# KiCad board PC110.kicad_pcb (continued)
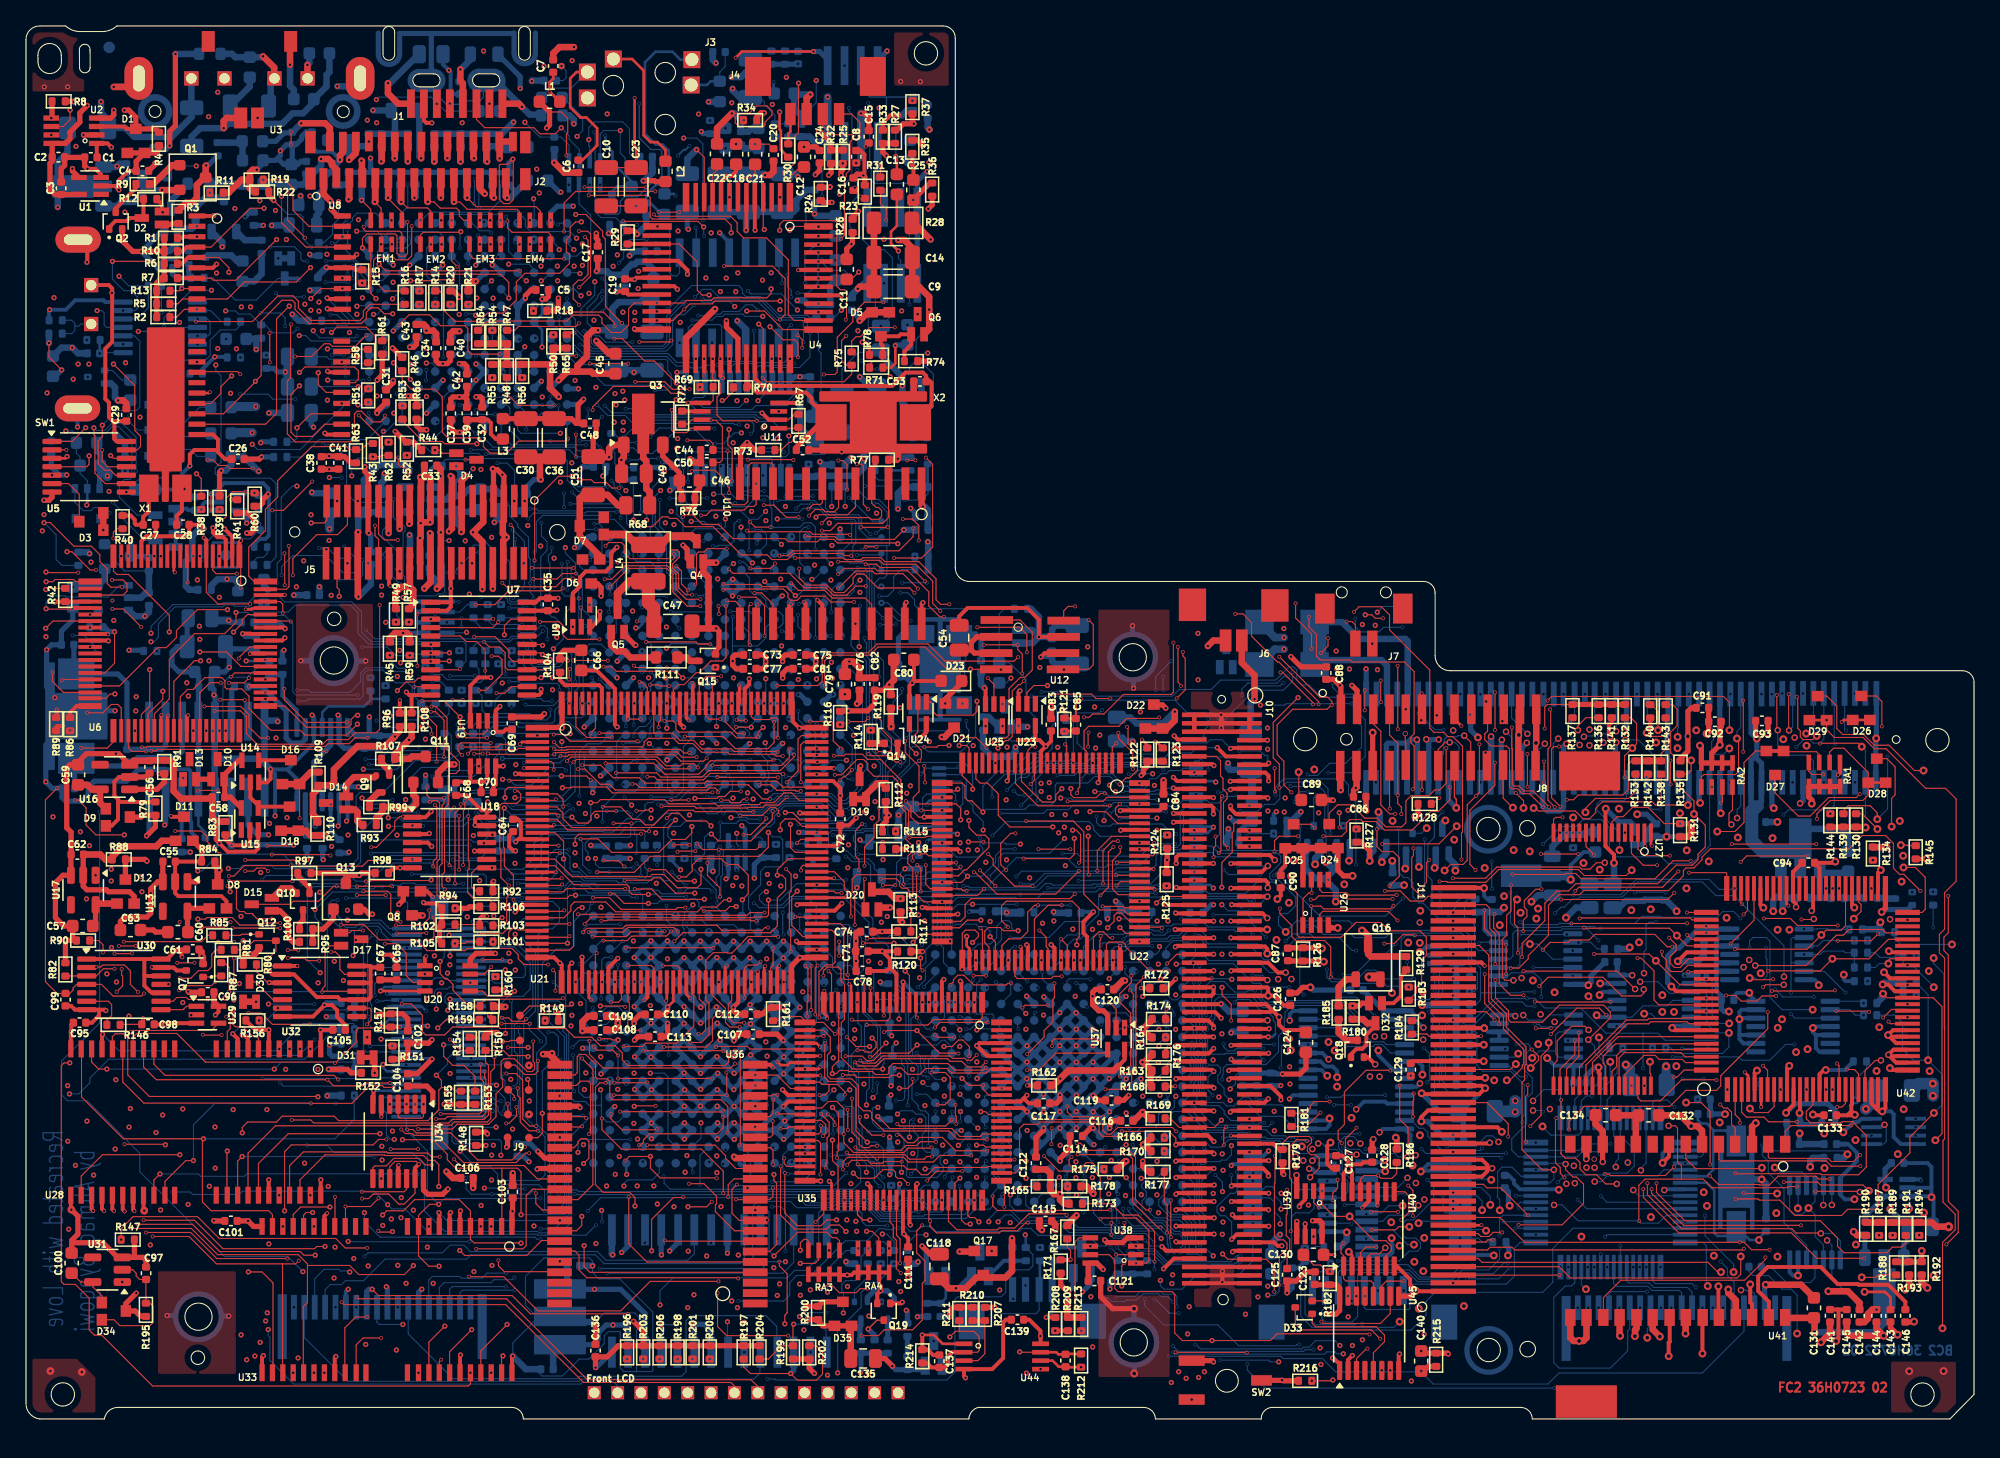
[diagram p0: board, top side]
## Routing (per net, layer and track width the routed paths; a pad name or vN(x,y) marks a point on that pad's centre or on a via; arc(x,y) is an arc through that point) (continued)
  IC4 w0.08: v2(130.46,22.85) 131.13,22.85 132.05,23.77 132.05,28.77 134.08,30.8 v2(135.26,30.8)
  BC1 w0.08: v1(77.03,19.89) 76.34,19.2 76.34,18.89 75.21,17.76 v7(75.21,17.32) ; v7(58.92,48.73) 58.92,46.85 60,45.77 60,43.52 58.85,42.37 56.83,42.37 56.67,42.21 56.67,41.85 v1(57.25,41.27)
  BC2 w0.08: v7(75.21,17.32) 75.11,17.23 U74.A5 ; 58.91,48.91 58.92,48.9 v7(58.92,48.73)
SD9: length 213
  FC2 w0.08: v3(113.47,30.42) 113.47,30.9 112.36,32.01 v3(112.36,34.27) ; v3(114.01,34.3) v3(114.01,36.55) ; U42.8 134.65,24.07 134.19,23.61 133.1,23.61 v2(132.79,23.92) ; v3(118.24,24.58) 118.24,20.49 118.23,20.48 118.23,20.44 118.57,20.1 119.36,20.1 119.7,19.76 119.7,19.27 120.15,18.82 120.97,18.82 121.68,18.11 v4(122.53,18.11) ; v3(117.45,30.12) 117.43,30.1 v3(116.3,30.1) ; v3(53.7,23.28) 53.7,22.44 53.23,21.98 48.02,21.98 47.59,21.54 47.59,21.53 47.56,21.5 47.56,21.32 47.34,21.1 v3(47.23,21.1)
  FC1 w0.08: v3(109.93,38.38) 109.56,38.38 109.21,38.03 109.21,36.84 109.53,36.52 113.98,36.52 v3(114.01,36.55) ; v3(112.36,34.27) 112.39,34.3 v3(114.01,34.3) ; v3(118.24,24.58) 118,24.82 118,29.57 v3(117.45,30.12) ; v3(53.7,23.28) 55.35,23.28 v3(56.17,24.1) ; v3(116.3,30.1) 115.98,30.42 v3(113.47,30.42) ; v3(47.23,21.1) 47.23,20.69 47.08,20.54 v1(47.08,17.96)
  IC1 w0.08: v1(82.14,18.6) 82.89,18.6 83.3,18.19 83.58,18.19 84.5,19.11 89.18,19.11 89.77,18.52 93.02,18.52 94.83,16.71 96.9,16.71 97.65,15.96 98.93,15.96 99.35,16.38 105.2,16.38 105.78,15.8 110.74,15.8 111.16,15.38 118.09,15.38 118.54,15.83 120.12,15.83 122.4,18.11 v4(122.53,18.11)
  IC2 w0.08: v2(132.79,23.92) 132.76,23.95 125.75,23.95 123.92,22.12 123.92,18.54 123.49,18.11 v4(122.53,18.11) ; v1(82.14,18.6) 81.7,19.04 74.32,19.04 73.94,19.42 72.52,19.42 ; 72.52,19.42 72.52,21.07 72.06,21.53 71.5,21.53 70.48,22.55 66.2,22.55 66.03,22.38 57.12,22.38 55.35,24.15 55.35,38.93 55.75,39.33 55.75,41.32 55.25,41.82 55.25,43.55 53.87,44.93 53.87,47.07 54.1,47.3 54.1,48.06 56.94,50.9 v1(56.94,52.11) ; 72.52,19.42 70.73,19.42 69.23,20.92 67.94,20.92 67.59,20.57 55.04,20.57 54.88,20.73 50.52,20.73 47.75,17.96 v1(47.08,17.96)
  BC1 w0.08: v1(82.14,18.6) 81.66,18.12 80.74,18.12 80.44,18.42 80.44,18.9 80.07,19.27 78.62,19.27 78.39,19.04 78.39,16.37 v7(78.27,16.25)
  BC2 w0.08: v7(78.27,16.25) 77.25,16.25 77.01,16.49 77.01,17.4 76.38,18.03 ; v1(56.94,52.11) 57.01,52.04 57.01,51.27 57.46,50.82 57.98,50.82 58.62,50.18 58.91,50.18
SD10: length 263.7
  FC2 w0.08: v1(50.99,16.35) 52.43,16.35 v3(52.82,16.74) ; v3(133.8,27.22) 134.15,26.87 U42.7 ; v4(123.94,33.13) 122.56,34.51 v3(115.35,34.51) ; 109.93,39.63 112.48,39.63 112.75,39.36 112.75,37.79 113.18,37.36 v3(113.18,35.05) ; v4(135.39,33.46) 133.99,33.46 v3(133.8,33.27)
  FC1 w0.08: v3(113.18,35.05) 114.81,35.05 v3(115.35,34.51) ; v3(133.8,33.27) v3(133.8,27.22) ; v3(52.82,16.74) 52.69,16.87 52.69,25.48 53.01,25.8 54.67,25.8 54.75,25.72 56.15,25.72 v3(56.17,25.7)
  IC1 w0.08: v1(51.01,12.93) 51.01,13.5 50.46,14.05 29.68,14.05 28.89,14.84 v1(28.89,15.51)
  IC2 w0.08: v1(51.01,12.93) 51.01,16.33 v1(50.99,16.35)
  IC3 w0.08: v4(123.94,33.13) 123.94,32.68 124.4,32.22 126.27,32.22 126.75,32.7 128.93,32.7 129.52,33.29 133.75,33.29 133.92,33.46 v4(135.39,33.46) ; v2(129.48,16.42) 129.4,16.5 124.37,16.5 123.21,15.34 107.95,15.34 107.52,15.77 105.59,15.77 104.76,16.6 101.32,16.6 96.65,11.93 90.68,11.93 89.69,12.92 87.01,12.92 85.31,14.62 80.78,14.62 80.02,15.38 79.96,15.38 79.77,15.57 76.18,15.57 75.81,15.2 v1(75.81,15.13) 75.74,15.13 74.91,14.3 70.72,14.3 70.2,13.78 68.38,13.78 67.61,13.01 60.8,13.01 60.04,13.77 51.85,13.77 v1(51.01,12.93)
  BC1 w0.08: v7(54.09,49.57) 53.87,49.79 53.87,53.46 54.29,53.88 57.06,53.88 v7(57.62,53.32) ; v7(133.42,26.12) 132.5,26.12 131.67,26.95 131.67,29.3 135.39,33.02 v4(135.39,33.46) ; v7(33.96,42.36) 34.11,42.21 34.11,41.08 33.14,40.11 33.14,38.09 33.63,37.6 33.63,31.51 33.15,31.03 31.36,31.03 31.15,31.24 31.15,31.64 30.95,31.84 30.59,31.84 30.03,31.28 30.03,17.57 30.25,17.35 30.25,15.83 29.91,15.49 28.91,15.49 v1(28.89,15.51) ; v7(51.14,49.52) 51.14,48.97 51.23,48.88 v7(51.23,48.33) ; v1(75.81,15.13) 77.27,15.13 77.49,15.35 77.49,18.73 v7(76.98,19.24) ; v7(133.41,25.48) 131.35,25.48 129.89,24.02 129.89,16.84 129.48,16.43 v2(129.48,16.42)
  BC2 w0.08: v7(76.98,19.24) 76.92,19.3 76.38,19.3 ; 57.64,52.72 57.64,53.3 v7(57.62,53.32) ; v7(133.42,26.12) 133.42,25.49 v7(133.41,25.48) ; v7(33.96,42.36) 38.29,42.36 39.15,43.22 39.15,44.39 40.03,45.27 44.48,45.27 44.52,45.23 45.24,45.23 46.27,46.26 46.98,46.26 47.68,46.96 47.68,47.3 47.88,47.5 48.26,47.5 48.42,47.66 50.27,47.66 50.94,48.33 v7(51.23,48.33) ; v7(54.09,49.57) 54.04,49.52 v7(51.14,49.52)
SD11: length 165.4
  FC2 w0.08: v3(60.17,31.03) 60.17,32.13 60.23,32.19 60.23,34.72 v3(60.03,34.92) ; v3(57.54,27.09) 57.53,27.09 ; v2(132.08,12.52) 132.08,11.15 131.8,10.87 118.95,10.87 118.09,11.73 109.93,11.73
  FC2 w0.2: v3(133.65,24.03) U42.6
  FC2 w0.3: U36.24 57.32,27.3 57.53,27.09
  FC1 w0.08: v1(57.05,35.46) 57.09,35.46 57.64,36.01 58.41,36.01 59.5,34.92 v3(60.03,34.92) ; v3(57.54,27.09) 58.57,27.09 59.38,27.9 59.38,30.24 v3(60.17,31.03) ; v2(132.08,12.52) 132.65,12.52 132.97,12.84 132.97,12.9 132.96,12.91 132.96,21.21 133.85,22.1 133.85,23.83 v3(133.65,24.03)
  IC1 w0.08: v1(63.54,21.49) 63.54,21.42 64.63,20.33 66.61,20.33 67.34,21.06 68.97,21.06 71.13,18.9 71.13,18.49 71.59,18.03 76.51,18.03 v1(77.03,18.55) 77.59,17.99 82.54,17.99 82.74,17.79 88.69,17.79 89.96,16.52 89.96,15.7 90.93,14.73 94.17,14.73 95.1,13.8 102.15,13.8 102.81,14.46 105.91,14.46 106.42,13.95 107.06,13.95 107.82,13.19 130.32,13.19 130.99,12.52 v2(132.08,12.52)
  IC4 w0.08: v1(63.54,21.49) 61.82,23.21 60.97,23.21 57.88,26.3 57.88,28.95 57.76,29.07 57.76,34.75 v1(57.05,35.46)
  BC1 w0.08: v7(59.59,37.62) 58.17,37.62 57.79,37.24 57.79,36.2 v1(57.05,35.46) ; v7(59.59,38.83) 60.04,39.28 60.04,41.43 60.41,41.8 60.41,47.54 59.83,48.12 59.83,49.11 59.31,49.63 59.31,51.28 v7(59.13,51.46) ; v7(76.47,17.31) 76.48,17.31 77.03,17.86 v1(77.03,18.55)
  BC2 w0.08: U74.A6 76.39,17.23 v7(76.47,17.31) ; v7(59.59,38.83) v7(59.59,37.62)
SD12: length 234.2
  FC2 w0.08: v3(43.36,21.95) 43.49,22.08 43.49,25.85 43.31,26.03 42.72,26.03 42.39,25.7 U36.27 ; v2(134.88,17.37) 132.34,17.37 v3(132.31,17.4) ; 109.93,12.98 109.98,13.03 112.59,13.03 112.59,13.04 112.78,13.23 114.47,13.23 114.67,13.03 132.23,13.03 v3(132.32,13.12)
  FC2 w0.2: v3(132.39,26.71) 132.65,26.45 U42.4
  FC1 w0.08: v1(44.72,17.95) 44.72,21.11 43.88,21.95 v3(43.36,21.95) ; v3(132.32,13.12) 132.32,17.39 v3(132.31,17.4) 132.31,25.97 132.39,26.05 v3(132.39,26.71)
  IC2 w0.08: v1(63.54,18.13) 62.84,17.43 45.24,17.43 v1(44.72,17.95)
  IC3 w0.08: v2(134.88,17.37) 134.66,17.37 134.2,16.91 123.9,16.91 122.56,15.57 116.07,15.57 114.08,17.56 97.23,17.56 96.92,17.87 96.2,17.87 95.95,18.12 95.01,18.12 93.18,19.95 90.78,19.95 89.03,18.2 81.26,18.2 v1(80.87,18.59)
  IC4 w0.08: v1(57.09,27.96) 57.03,27.9 57.03,19.99 56.79,19.75 56.79,18.67 57.54,17.92 62.6,17.92 62.81,18.13 v1(63.54,18.13) 63.43,18.13 61.2,15.9 61.2,9.35 64.56,5.99 69.8,5.99 71.88,8.07 75.67,8.07 75.99,8.39 82.61,8.39 83.62,9.4 85.06,9.4 86.46,10.8 86.46,12.44 84.37,14.53 80.87,14.53 78.69,16.71 78.69,18.53 79.42,19.26 80.2,19.26 v1(80.87,18.59)
  BC1 w0.08: v1(80.87,18.59) 80.87,19.17 80.57,19.47 78.54,19.47 78.08,19.01 v7(78.08,18.68) ; v7(60.21,48.67) 60.21,48.07 60.61,47.67 60.61,41.55 60.49,41.43 60.49,40.23 60.55,40.17 60.55,36.43 60.07,35.95 59.34,35.95 57.89,34.5 v7(57.07,34.5) ; v7(57.05,33.16) 57.9,32.31 59.63,32.31 60.57,31.37 60.57,27.56 60.46,27.45 57.6,27.45 v1(57.09,27.96)
  BC2 w0.08: v7(60.21,48.67) 60.21,48.88 60.18,48.91 ; v7(78.08,18.68) 78.08,18.46 77.65,18.03 ; v7(57.05,33.16) 57.07,33.18 v7(57.07,34.5)
SD13: length 199.3
  FC2 w0.08: 127.51,18.48 127.51,19.52 127.21,19.82 127.21,22.43 127.05,22.59 v4(126.52,22.59) ; 127.51,18.48 124.71,18.48 124.23,18 124.23,15.28 v3(124.26,15.25) ; 127.51,18.48 129.19,18.48 129.85,17.82 135.65,17.82 135.74,17.91 v3(136.4,17.91) ; 109.93,14.28 111.85,14.28 112.07,14.06 112.69,14.06 113.01,14.38 v3(113.7,14.38) ; v3(136.4,22.9) 134.23,22.9 133.87,23.26 132.52,23.26 132.15,23.63 U42.3
  FC2 w0.4: v1(42.67,24) 42.57,24.1 U36.29
  FC1 w0.08: v3(124.26,15.25) 124.22,15.29 117.83,15.29 116.92,14.38 v3(113.7,14.38) ; v3(136.4,17.91) 136.4,18.93 136.14,19.19 136.14,22.23 136.4,22.49 v3(136.4,22.9)
  IC1 w0.08: v4(117.38,23.88) 118.67,22.59 v4(126.52,22.59) ; v1(65.24,24.77) 65.05,24.77 65.02,24.74 43.41,24.74 v1(42.67,24)
  IC3 w0.08: v4(117.38,23.88) 117.38,24.49 116.85,25.02 113.99,25.02 113.5,24.53 108.31,24.53 106.71,22.93 103.45,22.93 103.04,22.52 97.41,22.52 96.64,23.29 94.93,23.29 93.19,25.03 92.59,25.03 91.53,26.09 90.73,26.09 89.14,24.5 70.23,24.5 70.2,24.52 70,24.52 69.44,25.08 67.55,25.08 67.06,24.59 66.14,24.59 65.96,24.77 v1(65.24,24.77)
  BC1 w0.08: v7(65.57,25.87) 64.79,26.65 64.79,27.88 64.56,28.11 64.56,29.82 65.61,30.87 65.61,32.06 65.03,32.64 63.36,32.64 62.53,33.47 62.53,36.74 63.53,37.74 63.53,40.11 63.16,40.48 v7(63.16,41.56) ; v7(71.91,17.96) 69.65,17.96 67.85,16.16 66.83,16.16 v7(66,16.99) ; v7(71.91,16.12) 71.91,15.03 72.42,14.52 76.4,14.52 76.57,14.69 77.26,14.69 77.74,15.17 v7(77.74,19.11) ; v7(64.46,20.48) 64.19,20.75 64.19,24.32 64.64,24.77 v1(65.24,24.77) ; v7(61.48,41.71) 61.49,41.72 61.49,45.64 61.33,45.8 61.33,47.53 60.83,48.03 60.83,49.4 v7(60.23,50)
  BC2 w0.08: v1(65.24,24.77) 65.57,25.1 v7(65.57,25.87) ; v7(77.74,19.11) 77.74,19.21 77.65,19.3 ; v7(77.74,19.11) 77.74,19.18 77.65,19.27 ; v7(77.74,19.11) 77.74,19.2 U74.C7 ; v7(60.23,50) 60.23,50.13 60.18,50.18 ; v7(64.46,20.48) 65.09,19.85 65.32,19.85 65.53,19.64 65.53,18.68 66.12,18.09 66.12,17.77 66.07,17.72 66.07,17.06 v7(66,16.99) ; v7(71.91,16.12) v7(71.91,17.96) ; v7(61.48,41.71) 61.97,41.71 62.12,41.56 v7(63.16,41.56)
SD14: length 253.6
  FC2 w0.08: U36.31 42.79,22.5 v3(42.84,22.55) ; U42.2 131.65,23.46 132.01,23.1 v3(132.01,22.82) ; 109.93,15.53 113.52,15.53 115.44,13.61 v3(132,13.61) 132.35,13.61 132.92,13.04 v3(134.3,13.04)
  FC1 w0.08: v3(42.84,22.55) 44.93,22.55 45.7,21.78 v1(45.7,20.23) ; v3(132.01,22.82) 132.01,13.62 v3(132,13.61) ; v3(134.3,13.04) 134.3,15.34 v2(134.82,15.86)
  IC1 w0.08: v1(79.59,18.62) 80,18.21 82.75,18.21 82.94,18.02 88.91,18.02 90.86,16.07 91.6,16.07 91.94,15.73 92.23,15.73 92.89,15.07 94.4,15.07 94.76,15.43 96.06,15.43 96.25,15.62 97.44,15.62 97.6,15.78 99.03,15.78 99.38,16.13 105.09,16.13 105.59,15.63 110.61,15.63 111.06,15.18 118.22,15.18 118.67,15.63 124.28,15.63 124.72,16.07 125.63,16.07 125.84,15.86 v2(134.82,15.86)
  IC4 w0.08: v1(79.59,18.62) 79.59,18.07 80.27,17.39 80.27,15.55 81.03,14.79 84.65,14.79 86.69,12.75 86.69,10.64 85.24,9.19 83.99,9.19 82.15,7.35 71.47,7.35 69.76,5.64 64.32,5.64 60.9,9.06 60.9,10.23 60.19,10.94 59.81,10.94 59.09,11.66 59.09,12.44 58.44,13.09 56.72,13.09 56.32,12.69 56.32,7.64 55.69,7.01 53.46,7.01 51.82,8.65 51.82,13.73 50.24,15.31 44.28,15.31 43.57,16.02 43.57,19.23 44.57,20.23 v1(45.7,20.23)
  BC1 w0.08: v7(45.6,28.23) 44.91,28.23 44.39,28.75 44.39,29.47 45.2,30.28 45.2,31.64 45.64,32.08 45.64,32.87 46.12,33.35 48.87,33.35 49.03,33.19 v7(49.41,33.19) ; v7(60.21,51.22) 60.55,51.22 61.17,50.6 61.17,48.03 61.56,47.64 61.56,45.87 61.69,45.74 61.69,42.14 61.79,42.04 61.79,36.38 60.32,34.91 59.96,34.91 59.81,34.76 59.38,34.76 58.65,34.03 v7(49.44,34.03) ; v7(37.32,23.72) 37.32,23.25 37.86,22.71 40.78,22.71 40.93,22.56 43.85,22.56 45.7,20.71 v1(45.7,20.23) ; v7(45.6,25.89) 39.19,25.89 39.01,25.71 38.42,25.71 37.52,26.61 v7(36.71,26.61) ; v1(79.59,18.62) 79.14,18.17 v7(79.14,17.34)
  BC2 w0.08: v7(45.6,25.89) v7(45.6,28.23) ; v7(49.41,33.19) 49.44,33.22 v7(49.44,34.03) ; v7(37.32,23.72) 37.32,25.2 36.9,25.62 36.9,26.07 36.71,26.26 v7(36.71,26.61) ; v7(79.14,17.34) 78.26,17.34 77.66,16.74 U74.A7
SD15: length 154.3
  FC2 w0.08: v1(42.95,19.68) 43.36,20.09 43.36,21.4 43.16,21.6 42.76,21.6 42.52,21.36 42.52,21.21 42.21,20.9 U36.33
  FC1 w0.08: v2(110.76,8.7) 110.76,15.95 v3(109.93,16.78) ; v3(131.05,25.39) 131.38,25.06 131.38,21.71 125.98,16.31 121.27,16.31 120.98,16.02 115.48,16.02 115.06,15.6 110.76,15.6
  IC1 w0.08: v2(110.76,8.7) 108.29,11.17 108.29,12.26 107.96,12.59 107.91,12.59 107.89,12.61 105.93,12.61 104.64,11.32 95.77,11.32 93.73,13.36 91.19,13.36 90.47,12.64 87.14,12.64 86.25,13.53 86.25,14.47 83.4,17.32 v1(83.4,17.34)
  IC2 w0.08: v1(64.74,19.01) 65.47,19.01 66.87,17.61 72.34,17.61 72.51,17.78 82.3,17.78 82.75,17.33 82.75,17.31 83.37,17.31 v1(83.4,17.34)
  IC3 w0.08: v1(42.95,19.68) 43.01,19.74 64.01,19.74 v1(64.74,19.01)
  BC1 w0.08: v7(62.18,45) 62.18,45.57 62.25,45.64 62.25,46.45 62.11,46.59 62.11,47.56 61.48,48.19 v7(61.48,48.67) ; v7(64.38,37.57) 64.38,39.41 64.68,39.71 64.68,44.88 64.5,45.06 63.7,45.06 63.64,45 v7(63.02,45) ; v1(83.4,17.34) 83.02,17.34 82.53,17.83 79.71,17.83 v7(79.53,18.01)
  BC2 w0.08: 78.92,18.03 78.94,18.01 v7(79.53,18.01) ; 61.45,48.91 61.48,48.88 v7(61.48,48.67) ; v7(62.18,45) v7(63.02,45) ; v7(64.38,37.57) 64.66,37.29 64.66,35.82 64.51,35.67 64.51,34.62 64.08,34.19 64.08,30.52 64.34,30.26 64.34,28.83 63.56,28.05 63.56,26.85 63.95,26.46 63.95,22.5 64.18,22.27 64.18,20.22 64.74,19.66 v1(64.74,19.01)
U8_1A3_KB_TP139: length 144.4
  IC3 w0.08: v1(4.7,22.95) 4.74,22.99 37.46,22.99 38.39,22.06 64.87,22.06 66.18,20.75 67.66,20.75 67.99,21.08 68.63,21.08 69.03,20.68 73.47,20.68 74.42,21.63 89.95,21.63 90.75,22.43 93.72,22.43 93.91,22.24 95.13,22.24 95.76,21.61 96.9,21.61 97,21.71 99.06,21.71 99.06,21.7 v4(99.53,21.23)
  BC1 w0.08: v7(4.91,61.01) 4.45,60.55 4.45,46.61 2.46,44.62 2.46,34.4 4.7,32.16 v1(4.7,22.95)
  BC2 w0.08: 100.23,17.04 101.33,17.04 101.81,17.51 101.81,18.32 101.21,18.92 101.21,20.5 100.94,20.77 100.3,20.77 99.84,21.23 v4(99.53,21.23)
U8_2A1_KB_RXD: length 155.1
  FC2 w0.08: v1(13.13,72.84) 13.5,72.47 R38.2
  IC1 w0.08: v1(14.58,19.33) 14.58,18.66 16.15,17.09 27.94,17.09 28.57,16.46 28.8,16.46 31.03,14.23 57.17,14.23 58.05,13.35 v1(58.05,10.41)
  IC2 w0.08: v1(87.38,10.68) 86.8,11.26 86.8,13.99 85.89,14.9 81.11,14.9 79.72,16.29 75.44,16.29 75.05,16.68 61.56,16.68 58.05,13.17 v1(58.05,10.41) ; v1(14.58,19.33) 14.15,19.76 14.15,23.38 14.58,23.81 14.58,30.56 14.2,30.94 14.2,31.29 14.53,31.62 14.53,41.38 14.09,41.82 14.09,56.03 12.35,57.77 12.35,72.34 12.85,72.84 v1(13.13,72.84)
  BC2 w0.08: U73.11 94.5,14.43 94.5,12.2 93.29,10.99 90.03,10.99 89.04,10 87.66,10 87.38,10.28 v1(87.38,10.68)
U21_97: length 44.9
  FC2 w0.08: U21.97 59.56,47.67 58.98,48.25 58.38,48.25 57.62,47.49 56.61,47.49 56.47,47.35 55.14,47.35 55.04,47.25 53.28,47.25 53.12,47.41 49.51,47.41 49.19,47.73 44.25,47.73 44.01,47.49 v1(43.5,47.49)
  BC1 w0.08: v7(31.88,45.68) 31.84,45.72 31.84,57.39 31.31,57.92 v7(30.77,57.92)
  BC2 w0.08: v7(31.88,45.68) 33.69,45.68 34.23,46.22 34.89,46.22 35.37,45.74 43.02,45.74 43.5,46.22 v1(43.5,47.49)
U21_98: length 40.9
  FC2 w0.08: v3(42.52,50.08) 43.06,50.08 44.23,48.91 44.95,48.91 45.39,48.47 52.5,48.47 52.65,48.62 53.09,48.62 53.3,48.41 v3(53.3,48.29) ; v3(53.26,49.47) 53.29,49.44 v3(57.91,49.44)
  FC1 w0.08: v3(53.26,49.47) 53.3,49.43 v3(53.3,48.29) ; v3(60.91,48.17) 60.91,48.6 60.09,49.42 57.93,49.42 v3(57.91,49.44) ; v3(42.52,50.08) 42.52,50.94 v1(41.27,52.19)
  BC1 w0.08: v7(34.57,57.27) 34.57,56.78 35.99,55.36 35.99,54.72 36.31,54.4 36.31,51.27 v9(36.69,50.89) ; v7(32.65,57.26) 31.82,58.09 v7(31.82,58.94)
  BC2 w0.08: v1(41.27,52.19) 41.27,51.19 40.97,50.89 v9(36.69,50.89) ; v7(34.57,57.27) 34.56,57.26 v7(32.65,57.26)
U21_101: length 83.3
  FC2 w0.08: v3(47.11,52.23) 41.91,52.23 41.4,52.74 v3(40.65,52.74) ; v3(58.31,49.71) 58.27,49.75 52.68,49.75 52.18,49.25 48.64,49.25 48.4,49.49 v3(47.86,49.49) ; v3(35.79,52.1) 33.51,52.1 33.28,51.87 33.28,51.48 v3(33.6,51.16)
  FC1 w0.08: v3(35.79,52.1) 36.92,53.23 40.16,53.23 v3(40.65,52.74) ; v3(33.6,51.16) 33.6,49.99 31.82,48.21 31.82,47.56 31.93,47.45 31.93,46.71 31.27,46.05 29.54,46.05 29.4,45.91 29.4,41.72 29.69,41.43 29.69,38.46 29.5,38.27 29.5,35.56 29.9,35.16 30.93,35.16 v1(31.46,35.69) ; v3(47.86,49.49) 47.86,50.74 47.11,51.49 v3(47.11,52.23) ; v3(58.31,49.71) 60.87,49.71 v3(60.91,49.67)
  BC1 w0.08: v7(31.33,56.84) 31,56.51 30.64,56.51 30.34,56.21 30.34,54.33 30.19,54.18 v7(30.19,53.87) ; v1(31.46,35.69) 31.46,36.8 31.72,37.06 31.72,42.26 v7(31.7,42.28) ; v7(27.69,53.31) 27.33,52.95 27.33,51.51 27.93,50.91 27.93,46.96 27.47,46.5 27.47,43.1 v7(28.01,42.56)
  BC2 w0.08: v7(31.7,42.28) 31.14,42.85 28.3,42.85 v7(28.01,42.56) ; R328.2 32.58,56.18 31.92,56.84 v7(31.33,56.84) ; v7(30.19,53.87) 29.29,53.87 28.73,53.31 v7(27.69,53.31)
U21_102: length 87.6
  FC2 w0.08: v3(57.6,50.81) 57.51,50.72 52.72,50.72 52.39,50.39 52.39,50.26 51.82,49.69 49.19,49.69 48.35,50.53 v3(44.65,50.53)
  FC2 w0.3: U21.102 62.18,50.17 v3(62.23,50.12)
  FC1 w0.08: v3(44.65,50.53) 44.65,49.96 44.75,49.86 44.75,46.7 44.51,46.46 v1(43.97,46.46) ; v3(62.23,50.12) 61.58,50.77 61.58,51.99 60.8,52.77 57.69,52.77 57.6,52.68 v3(57.6,50.81)
  IC1 w0.08: v1(15.59,42.42) 16.33,43.16 16.33,45.57 17.93,47.17 30.07,47.17 30.81,46.44 34.93,46.44 35.34,46.02 43.53,46.02 v1(43.97,46.46)
  BC1 w0.08: v7(30.2,46.75) 30.2,49.85 31.53,51.18 v7(31.53,54.41)
  BC2 w0.08: v7(30.2,46.75) 30.17,46.72 27.28,46.72 25.78,45.22 25.78,42.89 25.3,42.41 19.15,42.41 18.89,42.67 16.71,42.67 16.46,42.42 v1(15.59,42.42) ; R339.1 31.55,54.43 v7(31.53,54.41)
U21_103: length 36.3
  FC2 w0.08: v3(33.62,51.78) 36.32,51.78 36.53,51.99 v3(37.2,51.99) ; v3(58.29,51.09) 57.78,51.09 57.65,51.22 54.19,51.22 54.03,51.38 52.04,51.38 51.37,52.05 50.28,52.05 49.88,52.45 47.9,52.45 47.61,52.16 47.61,51.93 47.48,51.8 41.6,51.8 41.54,51.74 41.08,51.74 v3(40.66,52.16)
  FC1 w0.08: v3(40.66,52.16) 38.92,52.16 38.67,52.41 37.62,52.41 v3(37.2,51.99) ; v3(58.29,51.09) 58.73,50.65 60.94,50.65 v3(60.96,50.63) ; v3(33.62,51.78) 33.62,52.92 32.93,53.61 31.32,53.61 31.06,53.35 v1(30.52,53.35)
  BC1 w0.08: v7(30.62,55.92) 30.61,55.91 30.61,53.99 30.52,53.9 v1(30.52,53.35)
U21_104: length 38.1
  FC2 w0.08: v3(45.45,49.79) 48.58,49.79 48.91,49.46 52.08,49.46 52.59,49.97 58.11,49.97 59.16,51.02 v3(59.16,51.19) ; v1(42.05,46.38) 42.51,45.92 43.29,45.92 43.53,46.16 43.53,46.53 43.83,46.83 45.44,46.83 v3(45.46,46.85)
  FC1 w0.08: v3(45.46,46.85) 45.45,46.86 v3(45.45,49.79) ; v3(59.16,51.19) 59.18,51.17 v3(60.91,51.17)
  BC1 w0.08: v7(34.65,46.73) 34.65,50.07 33.84,50.88 v7(33.84,52.82)
  BC2 w0.08: v7(33.84,52.82) 33.4,52.82 R351.2 ; v7(34.65,46.73) 34.82,46.73 35.14,46.41 36.22,46.41 36.37,46.26 40.98,46.26 41.1,46.38 v1(42.05,46.38)
U21_105: length 46.2
  FC2 w0.08: v3(52.88,50.36) 52.89,50.37 58.2,50.37 58.8,50.97 v3(58.8,51.66) ; v3(52.88,48.29) 52.84,48.25 45.17,48.25 44.72,48.7 42.03,48.7 41.97,48.64 v1(41.32,48.64)
  FC1 w0.08: v3(58.8,51.66) 58.81,51.67 v3(60.91,51.67) ; v3(52.88,48.29) v3(52.88,50.36)
  IC3 w0.08: v1(26.32,48.71) 36.44,48.71 36.51,48.64 v1(41.32,48.64)
  BC1 w0.08: v7(26.42,50.43) 26.42,49.59 26.32,49.49 v1(26.32,48.71)
  BC2 w0.08: v7(26.42,50.43) 28.17,50.43 28.94,51.2 32,51.2 32.23,51.43 R331.1
U21_131: length 30.7
  FC2 w0.08: 47.9,55.15 47.86,55.15 47.86,56.35 47.41,56.8 v3(47.26,56.8) ; v3(36.69,64.44) 37,64.13 40.82,64.13 41.46,64.77 v3(42.13,64.77)
  FC2 w0.3: J5.27 27.96,64.31 v3(28.06,64.21)
  FC1 w0.08: v3(36.69,64.44) 36.34,64.44 36.19,64.59 28.44,64.59 v3(28.06,64.21) ; v3(47.26,56.8) 47.03,56.57 46.46,56.57 46.11,56.92 46.11,58.43 45.29,59.25 44.43,59.25 43.87,59.81 43.87,61.1 44.64,61.87 44.64,62.62 44.41,62.85 44.07,62.85 42.15,64.77 v3(42.13,64.77)
U21_139: length 21.5
  FC2 w0.08: 43.86,55.15 43.86,53.22 v3(43.48,52.84) ; v3(43.5,49.22) 43.17,49.55 v1(41.24,49.55)
  FC1 w0.08: v3(43.48,52.84) 43.5,52.82 v3(43.5,49.22)
  BC2 w0.08: 32.48,48.08 34.22,48.08 34.37,48.23 36.03,48.23 36.35,48.55 39.38,48.55 40.38,49.55 v1(41.24,49.55)
  BC2 w0.3: D60.1 32.48,47.64 ; 32.48,47.64 D60.2 ; 32.48,47.64 32.41,47.71 R349.1
U30_D0: length 102
  FC2 w0.08: R90.2 5.61,36.87 5.93,36.55 v3(5.93,35.96) ; v3(28.85,38.31) 28.55,38.31 28.1,38.76 28.1,40.42 27.85,40.67 v3(25.99,40.67) ; v3(14.58,33.69) 14.28,33.39 12.21,33.39 11.85,33.03 v3(11.8,33.03) ; v3(15.63,41.45) v3(20.53,41.45) ; U35.1 73.65,30.91 73.52,30.78 69.9,30.78 69.48,30.36 v3(64.76,30.36) ; U30.2 4.72,34.83 v3(5.42,34.83) 5.76,34.83 5.91,34.98 7.59,34.98 8.04,34.53 8.04,33.49 v3(8.62,32.91) ; v3(54.62,28.39) 54.39,28.39 54.13,28.13 54.13,27.51 53.86,27.24 46.36,27.24 45.93,27.67 45.93,28.21 45.38,28.76 44.24,28.76 43.58,29.42 42.24,29.42 41.57,30.09 36.53,30.09 36.42,30.2 32.86,30.2 32.26,29.6 30.8,29.6 30.53,29.86 30.53,31.12 29.66,31.99 v3(28.95,31.99)
  FC1 w0.08: v3(5.93,35.96) 5.42,35.45 v3(5.42,34.83) ; v3(64.76,30.36) 62.86,32.26 57.24,32.26 56.23,31.25 55.05,31.25 54.52,30.72 54.52,30.01 55.05,29.48 55.05,28.82 v3(54.62,28.39) ; v3(28.85,38.31) 28.85,37.97 28.92,37.9 28.92,32.02 v3(28.95,31.99) ; v3(15.63,41.45) 15.38,41.45 15.15,41.22 15.15,34.26 v3(14.58,33.69) ; v3(20.53,41.45) 20.53,40.44 21.31,39.66 25.46,39.66 25.99,40.19 v3(25.99,40.67) ; v3(8.62,32.91) 8.62,32.78 8.97,32.43 11.2,32.43 v3(11.8,33.03)
U53_2CLK: length 150.4
  FC2 w0.08: v3(6.82,35.86) 8.14,35.86 v3(8.16,35.88) ; v3(77.57,23.22) 77.72,23.07 82.5,23.07 82.95,22.62 82.95,22.24 83.24,21.95 83.57,21.95 84.08,22.46 88.3,22.46 v3(88.6,22.16) ; v1(72.59,44.47) 73.73,44.47 v3(73.74,44.48) ; R82.1 3.05,34.14 U30.3 5.41,34.14 5.96,34.69 v3(6.82,34.69) ; v3(73.49,42.28) 73.49,42.27 74.67,41.09 v3(74.67,41.08)
  FC2 w0.3: U40.11 103.44,16.79 v3(102.94,16.29)
  FC1 w0.08: v3(88.6,22.16) 89.33,21.43 89.33,19.38 90.23,18.48 92.98,18.48 93.32,18.14 93.32,17.45 94.01,16.76 97.34,16.76 97.72,17.14 102.68,17.14 102.94,16.88 v3(102.94,16.29) ; v3(8.16,35.88) 8.16,43.39 7.32,44.23 v1(6.61,44.23) ; v3(73.74,44.48) 73.74,43.41 73.49,43.16 v3(73.49,42.28) ; v3(77.57,23.22) 77.57,23.95 77.94,24.32 77.94,26.26 77.58,26.62 77.58,30.14 77.26,30.46 75.07,30.46 74.33,31.2 73.22,31.2 72.55,31.87 v3(72.55,32.11) 74.51,34.07 74.51,35.03 74.76,35.28 74.76,40.99 v3(74.67,41.08) ; v3(6.82,35.86) v3(6.82,34.69)
  IC1 w0.08: v1(6.61,44.23) 10.5,44.23 11.76,42.97 13.58,42.97 14.64,41.92 15.84,41.92 16.92,43 16.92,44.91 18.98,46.97 29.3,46.97 30.03,46.24 34.8,46.24 35.23,45.81 48.75,45.81 49.61,46.67 50.29,46.67 50.85,46.11 51.37,46.11 52.09,46.83 54.88,46.83 56.9,44.81 60.29,44.81 61.19,45.71 71.97,45.71 72.59,45.09 v1(72.59,44.47)
U54_1PRE#: length 83.1
  FC2 w0.08: v3(8.04,29.84) 8.14,29.94 14.27,29.94 U29.4
  FC1 w0.08: v3(8.04,29.84) v1(8.04,23.92)
  IC4 w0.08: v1(8.04,23.92) 7.43,23.92 4.34,27.01 4.34,37.74 3.54,38.54 3.54,63.36 5.47,65.29 5.47,72.64 6.3,73.47 6.62,73.47 7.64,74.49 7.64,79.62 7.17,80.1 7.17,84.64 6.39,85.41 v1(5.48,85.41)
  BC2 w0.08: 7.48,84.12 6.21,84.12 6.02,84.31 6.02,85.25 5.86,85.41 v1(5.48,85.41)
U61_RAM_LCASL#: length 13.5
  BC1 w0.08: v7(38.22,62.2) 39.17,62.2 39.47,61.9 41.12,61.9 41.14,61.92 41.82,61.92 42.21,61.53 47.03,61.53 47.45,61.11 v7(47.45,59.17)
  BC2 w0.08: v7(38.22,62.2) 37.76,61.74 R272.1 ; 47.47,59.2 47.47,59.19 v7(47.45,59.17)
U61_RAM_LCASU#: length 11.7
  BC1 w0.08: v7(38.32,59.79) 38.32,60.66 38.2,60.78 v7(38.2,61.22) ; v7(41.03,58.39) 41.05,58.37 v7(43.6,58.37)
  BC2 w0.08: 43.67,57.8 43.67,58.3 v7(43.6,58.37) ; v7(41.03,58.39) 40.79,58.15 39.41,58.15 39.08,58.48 39.08,59.44 38.73,59.79 v7(38.32,59.79) ; v7(38.2,61.22) 35.9,61.22 35.57,61.55 R274.1
U61_RAM_RAMWE#: length 40.9
  FC2 w0.08: v3(37.55,40.01) 37.55,39.58 37.24,39.27 37.24,37.93 36.74,37.43 v3(34.87,37.43)
  FC2 w0.3: v3(34.67,29.42) R154.2
  FC1 w0.08: v3(34.87,37.43) 34.87,34.76 35.11,34.52 35.11,31.51 34.67,31.07 v3(34.67,29.42) ; v1(37.66,47.88) 38.59,46.95 38.59,41.05 v3(37.55,40.01)
  BC1 w0.08: v7(42.3,51.48) 42.3,52.09 42.39,52.18 42.39,53.95 42.64,54.2 v7(42.64,54.53)
  BC2 w0.08: v1(37.66,47.88) 39.51,47.88 39.79,47.6 41.53,47.6 42.3,48.37 v7(42.3,51.48) ; v7(42.64,54.53) 42.64,55.6 42.92,55.88 42.92,59.24 43.39,59.71 44.3,59.71 44.94,59.07
U61_RAM_RAS0: length 25.9
  FC1 w0.08: v3(35.97,36.78) 35.51,36.78 35.37,36.92 35.37,37.72 35.12,37.97 35.12,39.87 34.94,40.05 v1(34.94,41.48)
  BC1 w0.08: v7(45.5,49.35) 45.26,49.11 45.26,45.97 v7(44.8,45.51) ; v7(37.22,45.21) 36.77,45.21 36.28,44.72 36.28,42.82 v1(34.94,41.48)
  BC2 w0.08: v7(44.8,45.51) 44.75,45.46 37.47,45.46 v7(37.22,45.21) ; 46.21,52.72 46.02,52.72 45.5,52.2 v7(45.5,49.35)
U61_RAM_RAS2: length 23.7
  FC2 w0.08: v1(36.84,47.08) 36.78,47.02 36.78,44.05 36.85,43.98 36.85,42.6 37.54,41.91 37.54,40.69 37.03,40.18 37.03,38.33 36.73,38.03 R103.2
  BC1 w0.08: v7(42.64,48.03) 42.13,47.52 v7(42.13,46.99)
  BC2 w0.08: v7(42.13,46.99) 41.85,46.99 41.43,46.57 37.35,46.57 v1(36.84,47.08) ; v7(42.64,48.03) 42.64,51.44 43.23,52.03 44.25,52.03 44.94,52.72
U61_RAM_RAS3: length 22.7
  FC2 w0.08: R106.2 35.97,39.71 35.64,40.04 34.54,40.04 34.02,40.56 34.02,42.29 34.13,42.4 34.13,43.05 34.07,43.11 v3(34.07,46.46)
  FC1 w0.08: v3(34.07,46.46) 34.07,46.83 35.64,48.4 35.82,48.4 v1(36.71,49.29)
  BC1 w0.08: v7(41.6,49.98) 41.6,50.68 41.77,50.85 43.11,50.85 43.63,51.37 v7(43.63,52.53)
  BC2 w0.08: 43.67,52.72 43.63,52.68 v7(43.63,52.53) ; v1(36.71,49.29) 37.21,49.29 37.66,48.84 38.93,48.84 40.29,50.2 41.38,50.2 v7(41.6,49.98)
